# Altium PCB TCS-1900.PcbDoc (part 1 of 2) (continued)
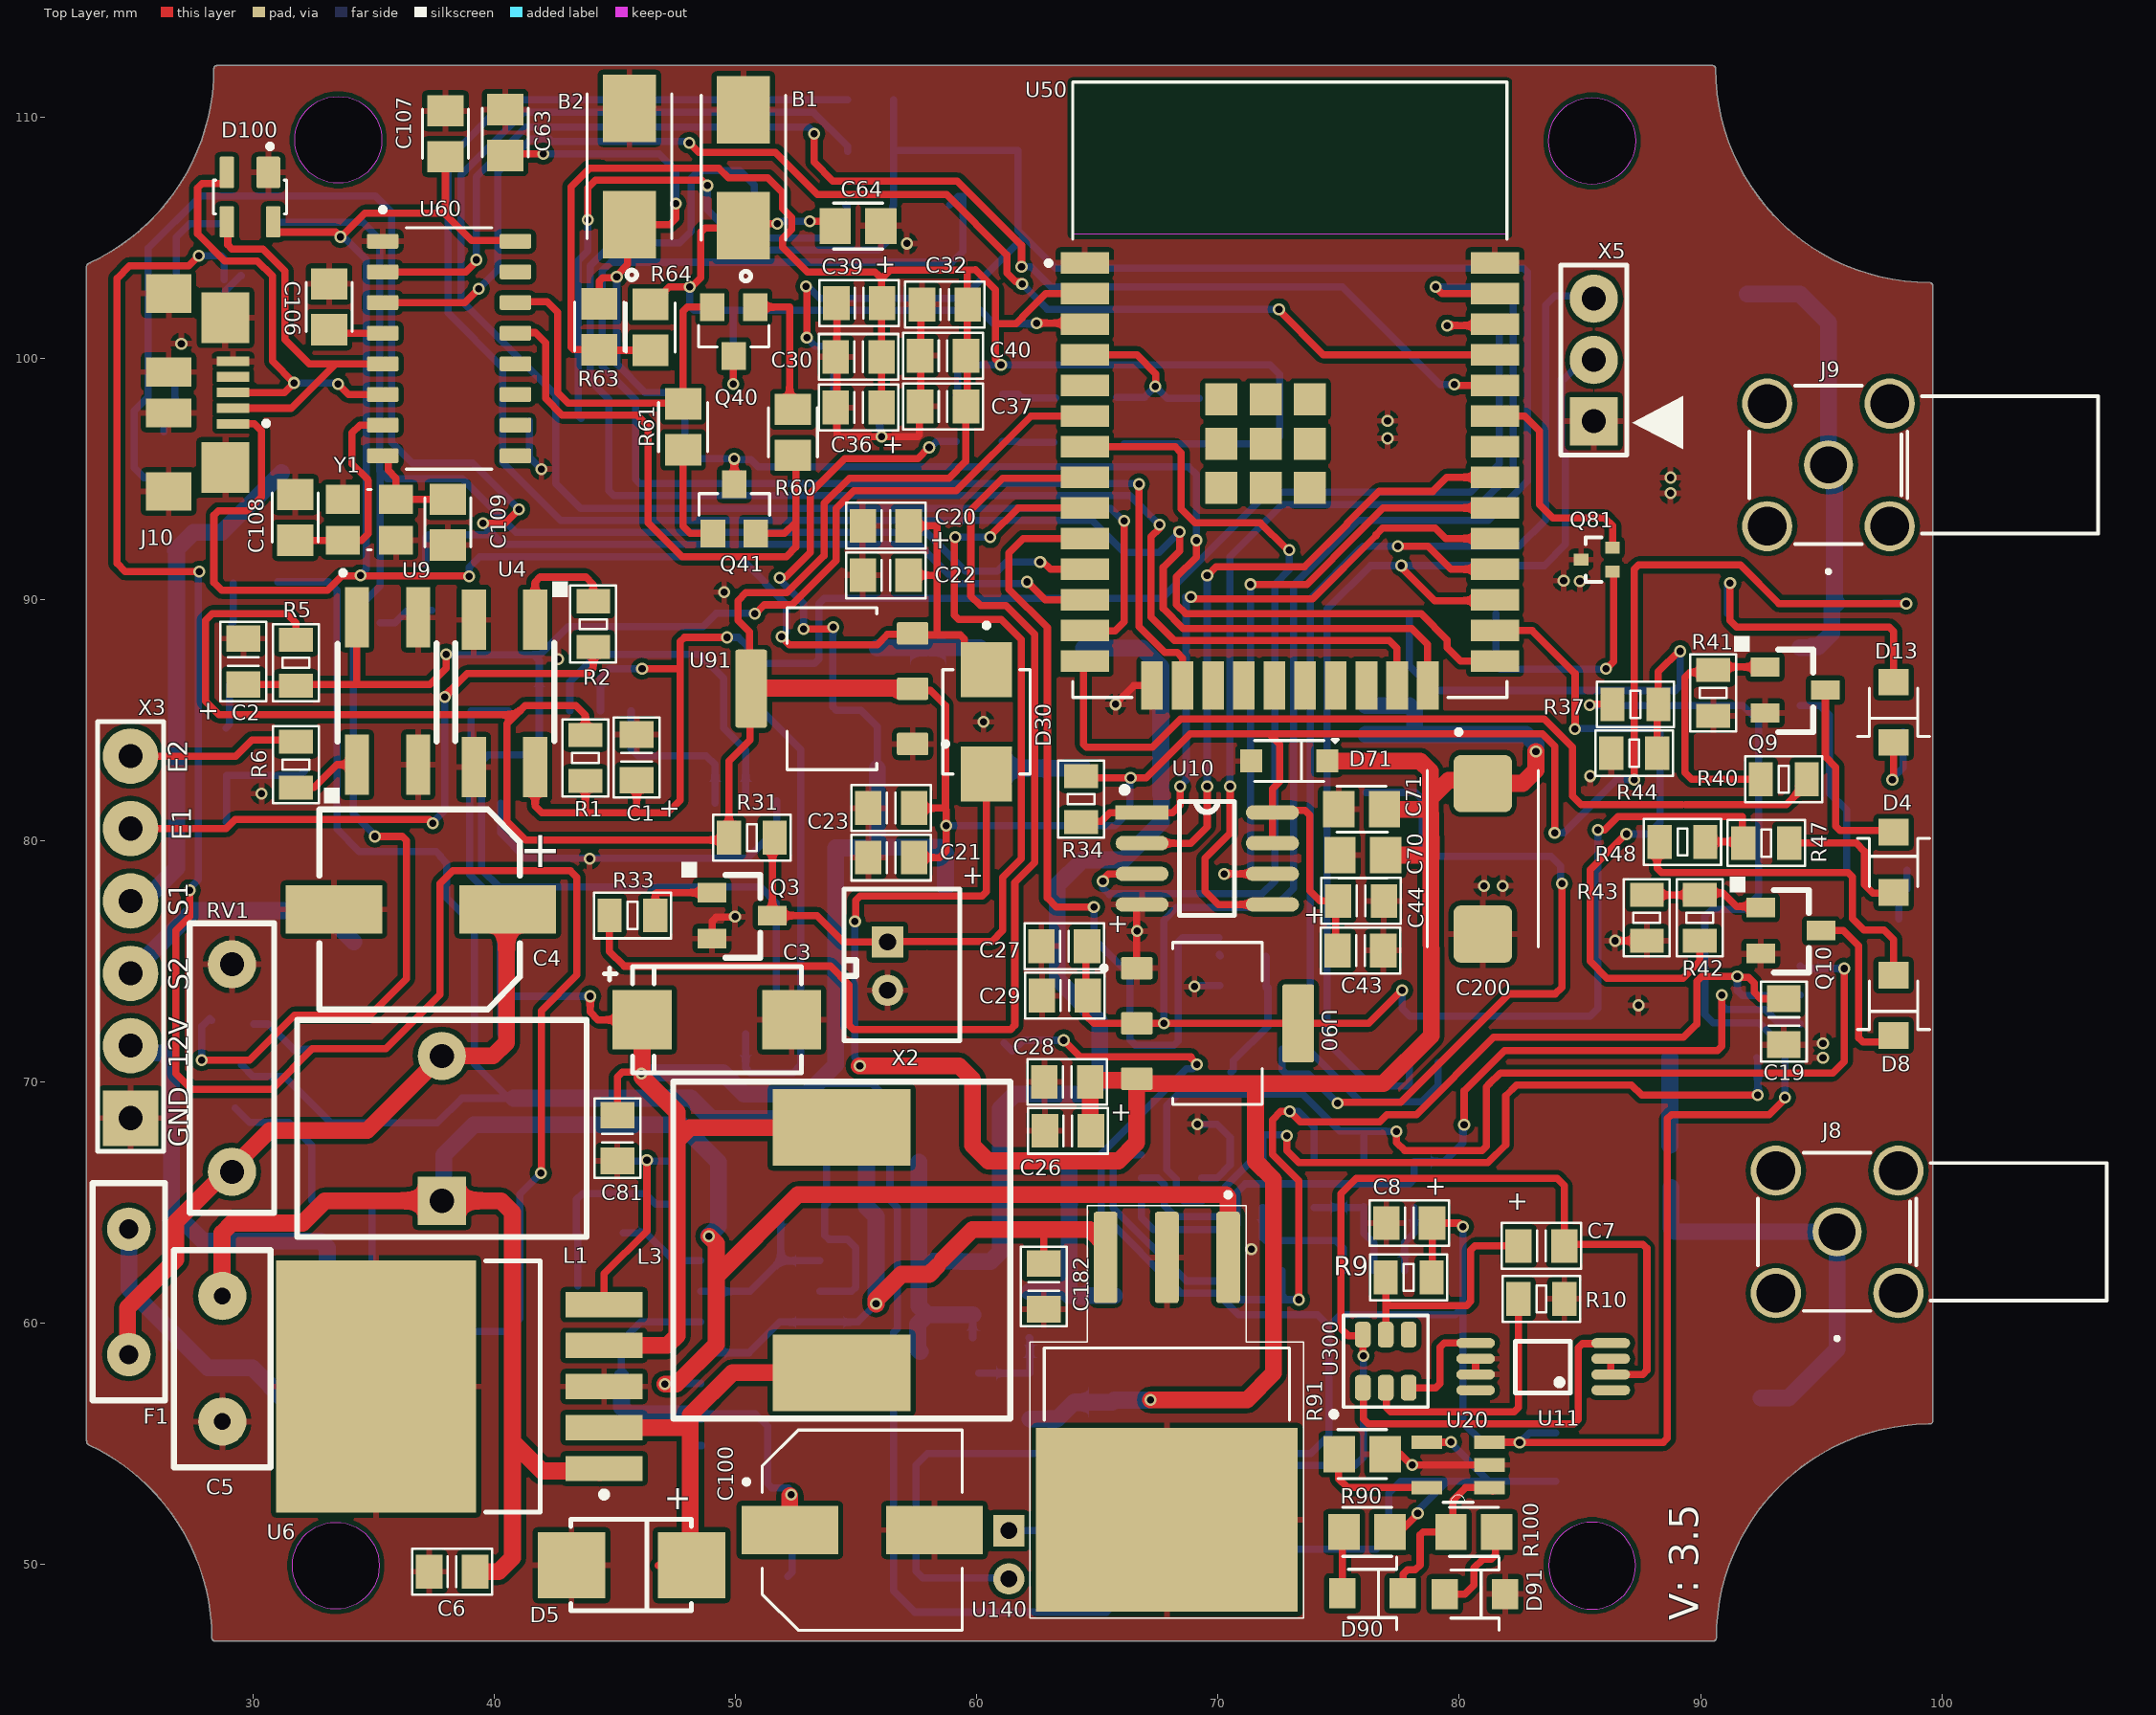
[diagram p0: Top Layer view]
## Components (designator, comment, footprint, x,y, rotation, side; value= is the part's Value field where it differs from the comment) (continued)
JUFL "U.FL-R-SMT(01)" HRS_U.FL-R-SMT(01) 90.375,102.6 r270 bottom
JUFL1 "U.FL-R-SMT(01)" HRS_U.FL-R-SMT(01) 90.925,56.875 r270 bottom
L1 "1mH" Inductor_per 37.825,68.075 r270 top
L3 "47uH" CDRH127 54.4,63.03 r0 top
L7 "82nF" IND_CPI0805G1R5R-10 96.623,89.85 r0 bottom
L50 "DE0703-33" DE0703-33 60.75,66.675 r0 bottom value=22uH
Q3 "MMBT3904" SOT23-npn 49.025,77.847 r0 top
Q4 "MJD122" DPAK 31.125,95.025 r0 bottom
Q5 "MJD122" DPAK 34.175,75.8 r0 bottom
Q6 "NTF6P02T3G" SOT223A 61.025,78.15 r270 bottom
Q9 "MMBT3904" SOT23-npn 92.675,87.2 r0 top
Q10 "MMBT3904" SOT23-npn 92.495,77.228 r0 top
Q40 "S8050" SOT-23 49.925,101.1 r180 top
Q41 "S8050" SOT-23 49.95,93.75 r0 top
Q50 "S8050" SOT-23 48.275,65.825 r90 bottom
Q80 "BC849BLT1G" "SOT-23-3 (TO-236)" 71.6,71.35 r0 bottom
Q81 "2N7002PT" SOT-416 85.7,91.65 r90 top
R1 "10k" R_0805#1 43.775,83.425 r270 top
R2 "10k" R_0805#1 44.1,88.975 r270 top
R5 "10k" R_0805#1 31.775,87.375 r270 top
R6 "10k" R_0805#1 31.775,83.15 r90 top
R9 "100" R_0805#1 77.9,61.9 r180 top
R10 "1K" R_0805#1 83.403,61.008 r0 top
R11 "10K" R_0805#1 55.8,78.75 r90 bottom
R20 "10K" R_0805#1 73.975,65.75 r90 bottom
R22 "22" R_0805#1 71.85,65.75 r90 bottom
R24 "22" R_0805#1 76.05,65.775 r270 bottom
R25 "22" R_0805#1 78.125,65.75 r90 bottom
R31 "5.1K" R_0805#1 50.675,80.122 r0 top
R33 "5.1K" R_0805#1 45.725,76.9 r180 top
R34 "10K" R_0805#1 64.325,81.725 r270 top
R36 "10k" R_0805#1 60.1,96.55 r0 bottom
R37 "200k" R_0805#1 87.3,85.65 r0 top
R40 "10k" R_0805#1 93.45,82.55 r0 top
R41 "10k" R_0805#1 90.525,86.125 r270 top
R42 "10k" R_0805#1 89.972,76.8 r270 top
R43 "10k" R_0805#1 87.772,76.8 r270 top
R44 "100k" R_0805#1 87.25,83.625 r180 top
R45 "10k" R_0805#1 60.125,98.5 r0 bottom
R46 "10k" R_0805#1 70.175,98.325 r0 bottom
R47 "330" R_0805#1 92.725,79.9 r180 top
R48 "330" R_0805#1 89.25,79.95 r0 top
R49 "0R7" R_0805#2 88.775,66.575 r270 bottom
R60 "10K 5%" R_0805#2 52.375,96.925 r90 top
R61 "10K 5%" R_0805#2 47.825,97.15 r270 top
R63 "10R 5%" R_0805#2 44.35,101.3 r270 top
R64 "10R 5%" R_0805#2 46.475,101.275 r270 top
R69 "10K" R_0805#1 55.575,106.3 r180 bottom
R70 "10K" R_0805#1 55.6,110.7 r180 bottom
R71 "10K" R_0805#1 59.425,107.65 r270 bottom
R72 "10K" R_0805#1 55.6,108.575 r180 bottom
R73 "4.7K" R_0805#2 71,75.95 r180 bottom
R74 "10K" R_0805#2 71.025,74 r180 bottom
R80 "1K" R_0805#2 97.275,76.75 r0 bottom
R81 "1K" R_0805#2 97.45,84.5 r0 bottom
R90 "470" R_0805#2 76.175,51.35 r180 top
R91 "2K" R_0805#2 75.975,54.575 r180 top
R100 "470" R_0805#2 80.6,51.35 r0 top
R130 "10m" R_0805#2 44.3,58.1 r0 bottom
R131 "10K" R_0805#2 44.4,63.75 r180 bottom
R132 "10K" R_0805#2 44.4,61.55 r180 bottom
R133 "47k" R_0805#2 44.3,66.725 r0 bottom
R134 "5k" R_0805#2 52.825,64.875 r0 bottom
R135 "1K" R_0805#2 52.825,67.15 r0 bottom
R150 "10K" R_0805#2 62.2,56.975 r270 bottom
R151 "56K" R_0805#2 60.075,56.975 r90 bottom
R161 "220" R_0805#2 28.675,72.275 r0 bottom
R162 "220" R_0805#2 29.9,105.575 r180 bottom
R163 "1K" R_0805#2 36.975,60.6 r270 bottom
R164 "1K" R_0805#2 39.175,60.6 r270 bottom
R165 "220" R_0805#2 37.3,90.5 r90 bottom
R166 "220" R_0805#2 26.3,96 r270 bottom
R167 "1K" R_0805#2 30.125,90.675 r180 bottom
R168 "1K" R_0805#2 28.9,83.65 r90 bottom
R169 "1K" R_0805#2 28.9,79.85 r270 bottom
R174 "1k" R_0805#2 29.75,69.25 r90 bottom
RV1 "10D470K" Varistor 29.125,70.575 r0 top
U4 "TLP181GB" SO4_2_54 41.69,88.95 r270 top
U6 "LM2596S-5.0" TS5B_N 38.55,57.375 r180 top
U9 "TLP181GB" SO4_2_54 34.3,83.35 r90 top
U10 "CAT25512VI-GT3" SOIC8_P 66.85,77.355 r0 top
U11 "FS8205A" TSSOP-8 86.275,60.15 r180 top
U15 "MCP6L01UT-E/OT" SOT23-5_P 63.4,96.475 r0 bottom
U20 "MCP73831T-2ACI/OT" SOT95P280X145-5N 79.95,54.125 r180 top
U30 "A9G" A9 75.725,72.4 r0 bottom
U50 "ESP32-WROOM-32" MODULE_ESP32-WROOM-32 72.975,98.69 r0 top
U60 "CH340G" SOIC127P600X180-16N 38.125,100.4 r0 top
U80 "ESDA6V1-5SC6" SOT-23-6 68.075,66.025 r180 bottom
U90 "AMS1117" SOT229P700X180-4N 69.975,72.425 r0 top
U91 "AMS1117" SOT229P700X180-4N 53.995,86.3 r180 top
U101 "MT3608" SOT95P280X145-6N 61,60.35 r180 bottom
U130 "TL084CDT" SOIC127P600X175-14N 51.025,58.775 r0 bottom
U140 "LM7812S/NOPB" TO254P1524X483-4N 67.875,56.325 r270 top
U150 "74HC14D" SOIC127P600X175-14N 44.4,87.85 r270 bottom
U152 "74HC541D" SOIC127P1032X265-20N 45.975,76.775 r270 bottom
U300 "DW01A" SOT23-6 76,57.325 r90 top
X2 "Housing_2mm" Molex2 56.3,75.8 r180 top
X3 "Conect_6" conec_6_3mm 24.923,68.502 r0 top
X5 "Conect_3" conec_3 85.575,97.385 r0 top
X6 "Housing" Molex2-90 61.325,51.4 r0 bottom
Y1 "cristal" XTAL_ABM8G25000MHZB4YT3 34.825,93.3 r90 top

## Footprints (in the part's own frame and the unit in brackets; to place one, negate y for a bottom-side part, rotate by r counter-clockwise, add the part's x,y. Pads: shape width x height; smd on the part's side, far side on the other; paste and mask are expansions set on the pad)
5-1814400-1 [mil]
  round 80 / inner round 60 / far side round 80 hole 60 paste+0 mask+0: 1(0,0)
  round 82 / inner round 60 / far side round 82 hole 63 paste+0 mask+0: 2(-100,100) 3(-100,-100) 4(100,-100) 5(100,100)
  silkscreen extent -129,-129 177,440, body extent -125,-124 125,435, height 411
A9 [mm]
  oval 1.6x0.8 smd: 1(0.4,0) 2(0.4,-1.2) 3(0.4,-2.4) 4(0.4,-3.6) 5(0.4,-4.8) 6(0.4,-6) 7(0.4,-7.2) 8(0.4,-8.4) 9(0.4,-9.6) 10(0.4,-10.8) 11(0.4,-12) 12(0.4,-13.2) 13(0.4,-14.4) 14(0.4,-15.6) 28(18.4,-15.6) 29(18.4,-14.4) 30(18.4,-13.2) 31(18.4,-12) 32(18.4,-10.8) 33(18.4,-9.6) 34(18.4,-8.4) 35(18.4,-7.2) 36(18.4,-6) 37(18.4,-4.8) 38(18.4,-3.6) 39(18.4,-2.4) 40(18.4,-1.2) 41(18.4,0)
  oval 0.8x1.6 smd: 15(2.2,-17) 16(3.4,-17) 17(4.6,-17) 18(5.8,-17) 19(7,-17) 20(8.2,-17) 21(9.4,-17) 22(10.6,-17) 23(11.8,-17) 24(13,-17) 25(14.2,-17) 26(15.4,-17) 27(16.6,-17) 42(16.6,1.4) 43(15.4,1.4) 44(14.2,1.4) 45(13,1.4) 46(11.8,1.4) 47(10.6,1.4) 48(9.4,1.4) 49(8.2,1.4) 50(7,1.4) 51(5.8,1.4) 52(4.6,1.4) 53(3.4,1.4) 54(2.2,1.4)
  rect 3x3 smd: 55(5.2,-3.1)
  rect 1.5x1.5 smd: 56(7.5,-9.7)
  body extent 0,-17.4 18.8,1.8, height 1.8
AMPHENOL_GTFP08131Y2HR [mm]
  rect 0.7x1.6 smd: 1(2.25,10.1) 2(1.15,10.1) 3(0.05,10.1) 4(-1.05,10.1) 5(-2.15,10.1) 6(-3.25,10.1) 7(-4.35,10.1) 8(-5.45,10.1) CD(-6.55,10.1)
  rect 1.2x1.4 smd: S1(-7.75,9.6)
  rect 1.6x1.4 smd: S2(6.85,9.6)
  rect 1.2x2.2 smd: S3(-7.75,0) S4(7.75,0)
  silkscreen extent -7.35,-4.4 7.35,11.7, body extent -8.05,-4.4 8.05,10.6, height 1.9
C_0805 [mm] "Capacitor Pattern"
  rect 1.1x1.4 smd: 1(-0.95,0) 2(0.95,0)
  silkscreen extent -1.65,-0.95 1.65,0.95, body extent -0.97,-0.62 1.03,0.63, height 0.79
C_0805-3D [mm] "Chip Capacitor, 2-Leads, Body 2.00x1.25mm"
  rect 1.3x1.5 smd: 1(-0.95,0) 2(0.95,0)
  silkscreen extent -1.02,-0.95 1.02,0.95, body extent -1,-0.62 1,0.63, height 0.78
CAP-TANTALIO-PM7343X310N [mm] "Capacitores de tantalio moldeado de 100 µF 10 V 2917 (7343 métrico) 600 mOhm"
  rrect25% 2.37x2.43 smd: 1(-3.12,0) 2(3.12,0)
  silkscreen extent -5.35,-2.3 3.65,2.3, body extent -3.8,-2.3 3.8,2.3, height 3.1
Cap_8x10 [mm] "Aluminum SMT 8.6x8.6x10mm cap"
  rect 4x2 smd: 1(0.5,0) 2(7.7,0)
  silkscreen extent 0,-4.15 8.3,4.15, body extent -0.85,-4.18 9.05,4.12, height 10.2
"CAP_EEEFP1V221AV - duplicate" [mm]
  rect 4x2 smd: 1(-3,0) 2(3,0)
  silkscreen extent -4.9,-4.15 4.15,4.15, body extent -4.85,-4.15 4.85,4.15, height 10.5
Cap_poly [mm] "polyswitch axial"
  round 2 hole 0.7: 1(0,2.6) 2(0,-2.6)
  silkscreen extent -2,-4.5 2,4.5, body extent -2.02,-4.1 1.98,3.9, height 12.67
CDRH127 [mm]
  rect 5.715x3.175 smd: 1(0,5.08) 2(0,-5.08)
  silkscreen extent -6.99,-6.98 6.98,6.98, body extent -6,-6.17 6,6.17, height 6.23
conec_3 [mm] "Connector; Header; 1x6 Position"
  rect 2x2 hole 1: 1(0,0)
  round 2 hole 1: 2(0,2.54) 3(0,5.08)
  silkscreen extent -1.38,-1.4 1.38,6.48, body extent -1.24,-1.27 1.24,6.35, height 8.54
conec_6_3mm [mm] "Connector; Header; 1x6 Position"
  rect 2.3x2.3 hole 1: 1(0,0)
  round 2.3 hole 1: 2(0,3) 3(0,6) 4(0,9) 5(0,12)
  round 2.3 hole 1 unplated: 6(0,15)
  silkscreen extent -1.38,-1.38 1.38,16.42
CPM7343-31 [mm]
  rect 2.45x2.45 smd: 1(-3.1,0) 2(3.1,0)
  silkscreen extent -4.67,-2.2 3.5,2.2, body extent -3.8,-2.3 3.8,2.3, height 3.1
CT_0805 [mm] "Capacitor Pattern"
  rect 1.1x1.4 smd: 1(-0.95,0) 2(0.95,0)
  silkscreen extent -1.65,-0.95 1.65,0.95, body extent -0.97,-0.65 1.03,0.65, height 1.21
"D_0805 - YELOW" [mm] "diodo led 0805"
  rect 1.1x1.25 smd: 1(-1.25,0) 2(1.25,0)
  silkscreen extent -1,-1.5 1,1.5, body extent -1.01,-0.62 1.01,0.63, height 1.1
D_0805-GREEN [mm] "diodo GREEN 0805 smd"
  rect 1.1x1.25 smd: 1(-1.25,0) 2(1.25,0)
  silkscreen extent -1,-1.5 1,1.5, body extent -1.01,-0.62 1.01,0.63, height 1.1
D_0805-RED [mm] "diodo red 0805 smd"
  rect 1.1x1.25 smd: 1(-1.25,0) 2(1.25,0)
  silkscreen extent -1,-1.5 1,1.5, body extent -1.05,-0.67 1.05,0.68, height 0.9
DE0703-33 [mm] "Inductor: alambre; SMD; 33uH; 910mA; 240 mO; 7,3x7,3x3,2 mm; ±20%"
  rect 1.5x2.2 smd: 1(-3.15,0) 2(3.15,0)
  silkscreen extent -4.6,-4.25 4.25,4.25, body extent -3.65,-3.65 3.65,3.65, height 3.2
DPAK [mm]
  rect 1.6x3 smd: 1(-2.285,-7.18) 3(2.285,-7.18)
  rect 5.8x6.2 smd: 2(0,0)
  silkscreen extent -4.31,-9 3.6,3.4, body extent -3.27,-7.82 3.33,2.28, height 2.4
HRS_U.FL-R-SMT(01) [mm]
  rect 1.1x2.25 smd: 1(-1.475,0) 2(1.475,0)
  rect 1.05x1.1 smd: 3(0,-1.55)
  silkscreen extent -1.3,1.3 1.3,1.3, body extent -1.5,-1.55 1.5,1.55, height 1.25
HRS_ZX62R-B-5P [mm]
  rect 0.4x1.35 smd: 1(1.3,2.675) 2(0.65,2.675) 3(0,2.675) 4(-0.65,2.675) 5(-1.3,2.675)
  rect 1.6x1.9 smd: GND(-4.1,0) GND(4.1,0)
  rect 2.1x2 smd: GND(-3.1,2.35) GND(3.1,2.35)
  rect 1.2x1.9 smd: GND(-0.85,0) GND(0.85,0)
  silkscreen extent 1.18,3.94 1.38,4.14, body extent -4.4,-2.75 4.4,2.98, height 2.71
IND_CPI0805G1R5R-10 [mm]
  rect 1.285x1.47 smd: 1(-0.973,0) 2(0.973,0)
  body extent -1,-0.63 1,0.63, height 1
Inductor_per [mm] "Inducotr; 5x10 mm"
  rect 2x2 hole 1: 1(3,0)
  round 2 hole 1: 2(-3,0)
  silkscreen extent -4.5,-6 4.5,6, body extent -3.27,-7.52 3.44,8.77, height 13.84
MICRO-SIM_CARD_HOLDER_78646-3001(Primary) [mm]
  rect 1.15x0.65 smd: C1(0.43,9.025) C2(0.43,6.485) C3(0.43,3.945) C5(0.43,10.295) C6(0.43,7.755) C7(0.43,5.215)
  rect 1.3x1 smd: P$1(2.6,12.37) P$2(4.6,12.37) P$5(4.6,0) P$6(2.6,0)
  rect 1.7x1.6 smd: P$3(14.16,12.31) P$4(14.16,0.06)
  rect 0.8x0.54 smd: P$13(13.58,3.73) P$14(13.58,8.65)
  silkscreen extent 0,0 15.45,12.37, body extent 0,-0.25 15.45,12.8, height 1.43
MODULE_ESP32-WROOM-32 [mm]
  rect 2x0.9 smd: 1(-8.5,5.26) 2(-8.5,3.99) 3(-8.5,2.72) 4(-8.5,1.45) 5(-8.5,0.18) 6(-8.5,-1.09) 7(-8.5,-2.36) 8(-8.5,-3.63) 9(-8.5,-4.9) 10(-8.5,-6.17) 11(-8.5,-7.44) 12(-8.5,-8.71) 13(-8.5,-9.98) 14(-8.5,-11.25) 25(8.5,-11.25) 26(8.5,-9.98) 27(8.5,-8.71) 28(8.5,-7.44) 29(8.5,-6.17) 30(8.5,-4.9) 31(8.5,-3.63) 32(8.5,-2.36) 33(8.5,-1.09) 34(8.5,0.18) 35(8.5,1.45) 36(8.5,2.72) 37(8.5,3.99) 38(8.5,5.26)
  rect 0.9x2 smd: 15(-5.715,-12.25) 16(-4.445,-12.25) 17(-3.175,-12.25) 18(-1.905,-12.25) 19(-0.635,-12.25) 20(0.635,-12.25) 21(1.905,-12.25) 22(3.175,-12.25) 23(4.445,-12.25) 24(5.715,-12.25)
  rect 1.33x1.33 smd: 39_1(-2.835,-0.405) 39_2(-1,-0.405) 39_3(0.835,-0.405) 39_4(-2.835,-2.24) 39_5(-1,-2.24) 39_6(0.835,-2.24) 39_7(-2.835,-4.075) 39_8(-1,-4.075) 39_9(0.835,-4.075)
  Keep-Out Layer region: 9,6.45 -9,6.45 -9,12.75 9,12.75
  Keep-Out Layer region: 9,6.45 -9,6.45 -9,12.75 9,12.75
  silkscreen extent -10.1,-12.75 9,12.75, body extent -9,-12.75 9,12.75, height 3.2
Molex2 [mm] "Connector; Header; 1x6 Position"
  rect 1.3x1.3 hole 0.7: 1(0,0)
  round 1.3 hole 0.7: 2(0,2)
  silkscreen extent -3,-2.2 1.8,4.1, body extent -2.83,-2.05 1.67,3.95, height 6
Molex2-90 [mm] "Connector; Header; 1x6 Position"
  rect 1.3x1.3 hole 0.7: 1(0,0)
  round 1.3 hole 0.7: 2(0,2)
  silkscreen extent -6.93,-2.2 1.05,4, body extent -6.8,-2.1 1.1,3.9, height 4.55
p_403 [mm]
  rect 2.8x2.743 smd: 1(2.425,0) 2(-2.55,0)
  silkscreen extent -2.55,-1.9 2.45,1.9, body extent -2.75,-1.8 2.65,1.8, height 2.3
Polyswitch [mm] "polyswitch axial"
  round 1.8 hole 0.8: 1(0,2.6) 2(0,-2.6)
  silkscreen extent -1.5,-4.5 1.5,4.5, body extent -1.53,-3.8 1.48,3.6, height 8.79
R_0805#1 [mm] "Resistor Pattern"
  rect 1x1.4 smd: 1(-0.95,0) 2(0.95,0)
  silkscreen extent -1.6,-0.95 1.6,0.95, body extent -0.97,-0.57 1.03,0.63, height 0.5
R_0805#2 [mm] "Chip Resistor 0805"
  rect 1.3x1.5 smd: 1(-0.95,0) 2(0.95,0)
  silkscreen extent -1.02,-1.02 1.02,1.02, body extent -1,-0.63 1,0.63, height 0.43
SO4_2_54 [mm] "S0-4"
  rect 2.5x1 smd: 1(-0.2,0) 2(-0.2,-2.54) 3(5.9,-2.54) 4(5.9,0)
  silkscreen extent -1.79,-3.3 4.83,1.35, body extent -0.71,-3.07 6.29,0.53, height 2
SOD_123 [mm]
  rect 0.9x0.95 smd: 1(-1.575,0) 2(1.575,0)
  silkscreen extent -1.43,-0.85 2.03,0.89, body extent -1.93,-0.85 1.93,0.85, height 1.42
SOIC8_P [mm] "SOIC, 8-Leads, Body 4.9x3.9mm, Pitch 1.27mm, IPC Medium Density"
  rect 2.2x0.6 smd: 1(0,3.81)
  oval 2.2x0.6 smd: 2(0,2.54) 3(0,1.27) 4(0,0) 5(5.4,0) 6(5.4,1.27) 7(5.4,2.54) 8(5.4,3.81)
  silkscreen extent -0.85,-0.45 3.83,4.87, body extent -0.45,-0.62 5.75,4.38, height 1.75
SOIC127P600X175-14N [mil]
  rect 78x20 smd: 1(-97,150) 2(-97,100) 3(-97,50) 4(-97,0) 5(-97,-50) 6(-97,-100) 7(-97,-150) 8(97,-150) 9(97,-100) 10(97,-50) 11(97,0) 12(97,50) 13(97,100) 14(97,150)
  silkscreen extent -53,-172 53,187, body extent -118,-170 118,170, height 69
SOIC127P600X180-16N [mm]
  rrect25% 1.31x0.62 smd: 1(-2.75,4.445) 2(-2.75,3.175) 3(-2.75,1.905) 4(-2.75,0.635) 5(-2.75,-0.635) 6(-2.75,-1.905) 7(-2.75,-3.175) 8(-2.75,-4.445) 9(2.75,-4.445) 10(2.75,-3.175) 11(2.75,-1.905) 12(2.75,-0.635) 13(2.75,0.635) 14(2.75,1.905) 15(2.75,3.175) 16(2.75,4.445)
  silkscreen extent -2.85,-5 1.78,5.85, body extent -3,-5 3,5, height 1.8
SOIC127P1032X265-20N [mil]
  rect 71x21 smd: 1(-188,225) 2(-188,175) 3(-188,125) 4(-188,75) 5(-188,25) 6(-188,-25) 7(-188,-75) 8(-188,-125) 9(-188,-175) 10(-188,-225) 11(188,-225) 12(188,-175) 13(188,-125) 14(188,-75) 15(188,-25) 16(188,25) 17(188,75) 18(188,125) 19(188,175) 20(188,225)
  silkscreen extent -150,-256 150,256, body extent -198,-252 208,252, height 104
SOP-4-2.54MM [mm]
  rect 0.8x1.2 smd: ANODE(-1.3,-3.35) CATHODE(1.25,-3.35) COLLECTOR(-1.3,2.9) EMITTER(1.25,2.9)
  silkscreen extent -2,-2.45 1.95,2, body extent -1.9,-3.77 1.9,3.26, height 2.2
SOT23-5_P [mm]
  rect 1.7x0.65 smd: 1(-0.2,0)
  rrect50% 1.7x0.65 smd: 2(-0.2,-0.95) 3(-0.2,-1.9) 4(2.4,-1.9) 5(2.4,0)
  silkscreen extent -1.37,-2.7 3.47,1.3, body extent -0.3,-2.4 2.5,0.5, height 1.45
SOT23-6 [mm]
  rrect50% 1.06x0.65 smd: 1(0,0) 2(0,-0.95) 3(0,-1.9) 4(2.2,-1.9) 5(2.2,-0.95) 6(2.2,0)
  silkscreen extent -1.2,-2.7 3,1.3, body extent -0.25,-2.45 2.45,0.55, height 1
SOT23-npn [mm]
  rect 1.2x0.8 smd: 1(0,0) 2(2.5,-0.953) 3(0,-1.905)
  silkscreen extent -1.27,-2.7 2,1.27, body extent -0.17,-2.4 2.63,0.5, height 1.3
SOT95P280X145-5N [mil]
  rect 50x22 smd: 1(-51,37) 2(-51,0) 3(-51,-37) 4(51,-37) 5(51,37)
  silkscreen extent -24,49 24,61, body extent -53,-57 53,57, height 57
SOT95P280X145-6N [mm]
  rrect50% 1.37x0.59 smd: 1(-1.17,0.95) 2(-1.17,0) 3(-1.17,-0.95) 4(1.17,-0.95) 5(1.17,0) 6(1.17,0.95)
  silkscreen extent -2.4,-1.75 2.1,1.75, body extent -1.4,-1.45 1.4,1.45, height 1.45
SOT143 [mm]
  rrect15% 0.99x1.3 smd: 1(-0.76,-1.025)
  rrect15% 0.59x1.3 smd: 2(0.96,-1.025) 3(0.96,1.025) 4(-0.96,1.025)
  silkscreen extent -1.52,-2.2 1.52,0.7, body extent -1.46,-1.21 1.46,1.21, height 1
SOT223A [mm]
  rect 2x1.5 smd: 1(0,2.3) 3(0,-2.3)
  rect 6.5x1.5 smd: 2(2.25,0)
  rect 2x3.8 smd: 2(6.3,0)
  silkscreen extent 1.58,-3.18 4.65,3.03, body extent -0.38,-3.32 6.58,3.18, height 1.65
SOT229P700X180-4N [mm]
  rrect15% 1.31x0.93 smd: 1(-3.345,2.29) 2(-3.345,0) 3(-3.345,-2.29)
  rrect15% 1.31x3.24 smd: 4(3.345,0)
  silkscreen extent -4.8,-3.36 1.86,3.36, body extent -3.5,-3.25 3.5,3.25, height 1.8
SOT-23 [mil]
  rect 40x45 smd: 1(-35,-40) 2(35,-40) 3(0,40)
  silkscreen extent -58,-10 58,25, body extent -59,-49 59,49
"SOT-23-3 (TO-236)" [mm] "Transistor bipolar (BJT) NPN 30 V 100 mA 100 MHz 300 mW Montaje en superficie SOT-23-3 (TO-236)"
  rrect25% 1.23x0.6 smd: 1(-1.06,0.95) 2(-1.06,-0.95) 3(1.06,0)
  silkscreen extent -2.46,-1.56 0.65,1.56, body extent -1.2,-1.45 1.2,1.45, height 1.11
SOT-23-6 [mm] "Pinza 11,4V 7A (8/20µs) Ipp Tvs Diodo Montaje en superficie"
  rrect25% 1.21x0.58 smd: 1(-1.255,0.95) 2(-1.255,0) 3(-1.255,-0.95) 4(1.255,-0.95) 5(1.255,0) 6(1.255,0.95)
  silkscreen extent -2.6,-1.56 0.8,1.56, body extent -1.4,-1.45 1.4,1.45, height 1.45
SOT-416 [mm]
  rect 0.5x0.6 smd: 1(-0.5,-0.65) 2(0.5,-0.65) 3(0,0.65)
  silkscreen extent -0.92,-0.19 0.92,0.46, body extent -0.8,-0.8 0.8,0.8, height 0.78
"SS56B-HF DO-214AA (SMB)" [mm] "Diodo Schottky 60 V 5A Montaje en superficie DO-214AA (SMB)"
  rect 2.28x2.12 smd: 1(2.165,0) 2(-2.165,0)
  silkscreen extent -4.1,-1.81 2.16,1.81, body extent -2.5,-1.35 2.5,1.35, height 2.28
SW_147873-2 [mm]
  rect 2.8x2.2 smd: 1(-2.413,0) 2(2.4,0)
  silkscreen extent -4.7,-1.75 3,1.75, body extent -3.53,-2.1 3.27,1.4, height 4.61
TO254P1524X483-4N [mm]
  rrect25% 3.79x0.99 smd: 1(-6.4,2.54) 2(-6.4,0) 3(-6.4,-2.54)
  rect 7.62x10.84 smd paste-6: 4(4.48,0)
  silkscreen extent -9.1,-5.67 8.54,5.67, body extent -7.3,-5.08 7.05,5.08, height 4.65
TS5B_N [mm] "D2-PAK, 6-Leads, Body 8.6x10.2mm, Pitch 1.7mm, Lead Span 14.1mm, IPC Medium Density"
  rect 3.2x1.05 smd: 1(-6,3.4) 2(-6,1.7) 3(-6,0) 4(-6,-1.7) 5(-6,-3.4)
  rect 8.3x10.45 smd: 6(3.45,0)
  silkscreen extent -6.13,-5.2 -1.1,5.2, body extent -6.93,-5.08 7.09,5.08, height 4.56
TSSOP-8 [mm] "SOP, 20-Leads, Body 7.2x5.2mm, Pitch 0.65mm, IPC Low Density"
  oval 1.6x0.42 smd: 1(0,2.925) 2(0,2.275) 3(0,1.625) 4(0,0.975) 5(5.6,0.975) 6(5.6,1.625) 7(5.6,2.275) 8(5.6,2.925)
  silkscreen extent 1.68,0.9 3.95,3.05, body extent -0.27,0.37 6.02,3.37, height 1.09
Varistor [mm] "Varistor axial"
  round 2 hole 1: 1(0,4.3) 2(0,-4.3)
  silkscreen extent -1.75,-6 1.75,6, body extent -0.87,-5.68 0.97,5.63, height 12.5
XTAL_ABM8G25000MHZB4YT3 [mm]
  rect 1.2x1.4 smd: 1(-0.85,1.1) 2(-0.85,-1.1) 3(0.85,-1.1) 4(0.85,1.1)
  silkscreen extent -2.3,-0.08 1.25,1.2, body extent -1.6,-1.24 1.6,1.24, height 0.99

## Part data
C1 C2 C7 C8 C20 C21 C26 C27 C30 C36 C39 C43 C45: library part CapTantalio, "Capacitor"
C3 C4: library part Cap_alu, "Capacitor aluminio"
C5 C6 C19 C22 C23 C28 C29 C32 C37 C40 C44 C46 C81 C182: library part CapMix, "Capacitor"
C63 C64 C70 C71 C90 C91: library part "capacitor caramico", "capacitor ceramico 0805"
  C63 C64: tension=10V, tipo=X7R
C100: library part CAP_EEEFP1V221AV, "CAP ALUM", max volt=35V
C101 C102 C106 C107 C108 C109: "capacitor ceramico 0805"
C200: library part "CAP-TANTALIO-(7343 métrico)", "Capacitores de tantalio moldeado de 100 µF 10 V 2917 (7343 métrico) 600 mOhm", marca="Vishay Sprague", tipo=TANTALIO
D4 D8 D12 D60 D61 D91: library part LED-SMD-GREEN, "LED-SMD-GREEN"
D5 D6 D7 D10 D11: "Schottky Diode"
D13: library part LED-SMD-YELLOW, "LED-SMD-YELLOW"
D30 D50 D70: "Diodo Schottky 60 V 5A Montaje en superficie DO-214AA (SMB)", pakage="DO-214AA (SMB)", Part Number=SS56B-HF
D71: library part "Diodo Zener-MMSZ5231BT1G", "Diodo Zener 5,1 V 500 mW ±5 % Montaje en superficie SOD-123"
D90: library part LED-SMD, "led 0805 red"
D100: "Supresor ESD TVS Uni-Dir 5.5V 4-Pin SOT-143 T/R"
F1: library part Fuse_per, "Fuse"
J1: "Conn Micro SIM Card SKT 6 POS 2.54mm Solder RA SMD 0.5A/Contact Embossed T/R", Package=None, Availability=Good, MF=Molex, MP=78646-3001, Price="0.58 USD"
J8 J9: "SMA Connector Jack, Female Socket 50 Ohm Through Hole, Right Angle Solder", Manufacturer_Part_Number=5-1814400-1, Vendor="Tyco Electronics"
J10: library part USB-ZX62R-B-5P, "ZX62R-B-5P USB STM", tecnoligi=SMD
J20: "GTFP08131Y2HR  MICRO SD,P/P,LCP", MF=GTFP08131Y2HR
J160 J161: "Optoisolator Transistor Output 3750Vrms 1 Channel 6-SOP", Package=None, Availability="In Stock", Check_prices=https://www.snapeda.com/parts/TLP185/Toshiba/view-part/?ref=eda, MF=Toshiba, MP=TLP185, Price=None, Purchase-URL=https://pricing.snapeda.com/search/part/TLP185/?ref=eda, SnapEDA_Link=https://www.snapeda.com/parts/TLP185/Toshiba/view-part/?ref=snap
JUFL JUFL1: "U.FL (UMCC) Connector Receptacle, Male Pin 50Ohm Surface Mount Solder. RF Connectors / Coaxial Connectors", Package=None, Availability="In Stock", Check_prices=https://www.snapeda.com/parts/U.FL-R-SMT(01)/Hirose+Electric+Co+Ltd/view-part/?ref=eda, MF=Hirose, MP=U.FL-R-SMT(01), Price=None, Purchase-URL=https://pricing.snapeda.com/search/part/U.FL-R-SMT(01)/?ref=eda, SnapEDA_Link=https://www.snapeda.com/parts/U.FL-R-SMT(01)/Hirose+Electric+Co+Ltd/view-part/?ref=snap
L1: library part Inductor_per, "Inductor"
L3: library part L_CDRH127, "Inductor"
L7: library part INDUCTOR-0805, "inductor 0805"
L50: "Inductor: alambre; SMD; 33uH; 910mA; 240 mO; 7,3x7,3x3,2 mm; ±20%"
Q3 Q9 Q10: library part NPN_SOT23, "NPN_SOT23"
Q6: "20V P-Channel Enhancement Mode MOSFET", ComponentLink1Description="Manufacturer Link", ComponentLink1URL=http://www.zetex.com/, ComponentLink2Description=Datasheet, ComponentLink2URL=www.zetex.com/3.0/pdf/ZXM61P02F.pdf, DatasheetVersion=Jul-99, PackageDescription="SOT-23; 3 Leads; Body 3.1 x 2.5 mm, inc. leads (LxW max), Alternate Lead Configuration", PackageReference=SOT23, PackageVersion=1996, Published=17-Dec-2003, Publisher="Altium Limited"
Q40 Q50: library part transistor-smd-NPN-BJT, "Transistor bipolar (BJT) NPN 25 V 500 mA 150 MHz 300 mW Montaje en superficie SOT-23"
Q41: library part transistor-smd-NPN-BJT-espejado, "Transistor bipolar (BJT) NPN 25 V 500 mA 150 MHz 300 mW Montaje en superficie SOT-23"
Q80: library part TRANSISTOR-NPN, "Transistor bipolar (BJT) NPN 30 V 100 mA 100 MHz 300 mW Montaje en superficie SOT-23-3 (TO-236)"
Q81: "N-Channel 60 V 310mA (Ta) 250mW (Ta) Surface Mount SC-75", Package="SOT-416 NXP USA Inc.", MP=2N7002PT
R1 R2 R5 R6 R9 R10 R11 R20 R22 R24 R25 R31 R33 R34 R36 R37 R40 R41 R42 R43 R44 R45 R46 R47 R48 R69 R70 R71 R72: library part ResSmd, "Resistor"
R49 R60 R61 R63 R64 R73 R74 R80 R81 R90 R91 R100 R130 R131 R132 R133 R134 R135 R150 R151 R161 R162 R163 R164 R165 R166 R167 R168 R169 R174: library part Resistor
RV1: library part Varistor, "Varistor"
U4 U9: library part OptoMOS_SO4, "4-Pin Phototransistor Optocoupler", DatasheetVersion=Nov-2003, LatestRevisionDate=04-Mar-2005, LatestRevisionNote="Sch pins 3 & 4 Swapped.", PackageReference=SO-4, Published=24-Mar-1999, Publisher="Altium Limited"
U6: "SIMPLE SWITCHER® Power Converter 150 KHz 3A Step-Down Voltage Regulator, 5-pin TO-263", Manufacturer="National Semiconductor", PackageTopMarking="NSUZXYTTE#*LM2596S*-5.0 P+", PowerWise=N, Code_JEDEC=MO-169-AB, ComponentLink1Description="LM2596 Datasheet", ComponentLink1URL=http://www.national.com/ds/LM/LM2596.pdf, ComponentLink2Description="LM2596 Web Page", ComponentLink2URL=http://www.national.com/pf/LM/LM2596.html, ComponentLink3Description="TS5B Package Page", ComponentLink3URL=http://www.national.com/packaging/folders/ts5b.html, CompType=Switcher, DatasheetVersion=May-2002, PackageDescription="TO-263, Molded, .400 x .390 x .180in, 5 Lead, .067in Pitch, Surface Mount", PackageReference=TS5B, PackageVersion="revD, Apr-2005", PartNumber=LM2596S-5.0, PinCount=5, RevisionNote="Component URLs added", RoHS=N
U10: library part 25LC512-E/SN, "512 Kbit SPI Bus Serial EEPROM, 8-Pin SOIC, Extended Temperature", Code_IPC=SOIC127P600-8, Code_JEDEC=MS-012, ComponentLink1Description="Manufacturer Link", ComponentLink1URL=http://www.microchip.com, ComponentLink2Description=Datasheet, ComponentLink2URL=http://ww1.microchip.com/downloads/en/DeviceDoc/22021E.pdf, ComponentLink3Description="Packaging Specification", ComponentLink3URL=http://ww1.microchip.com/downloads/en/PackagingSpec/00049AW.pdf, DatasheetVersion="revB, May-2008", PackageDescription="8-Lead Plastic Small Outline (SN) - Narrow, 3.90mm Body [SOIC]", PackageReference=SOIC-SN8, PackageVersion="revAW, Oct-2008", Published=29-Jan-2009, Publisher="Altium Limited"
U11 U300: "Optron"
  U300: MP=DW01A
U15: "1 MHz, 85 µA Op Amp, 5-Pin SOT-23, Extended Temperature Range, Tape and Reel", Supplier Part Number 1=MCP6L01UT-E/OTTR-ND, Code_IPC=SOT23-5, ComponentLink1Description=Datasheet, ComponentLink1URL=http://ww1.microchip.com/downloads/en/DeviceDoc/22140a.pdf, ComponentLink2Description="Packaging Specification", ComponentLink2URL=http://www.microchip.com/stellent/groups/techpub_sg/documents/packagingspec/en012702.pdf, ComponentLink3Description="Microchip.com Home", ComponentLink3URL=http://www.microchip.com/, DatasheetVersion="revA, Mar-2009", PackageDescription="5-Lead Plastic Small Outline Transistor (OT) [SOT-23]", PackageReference=SOT-23-OT5, PackageVersion="revBB, Aug-2009", Published=2-Dec-2009, Publisher="Altium Limited", Supplier 1=Digi-Key, Supplier 2=Digi-Key, Supplier 3=Digi-Key, Supplier Part Number 2=MCP6L01UT-E/OTCT-ND, Supplier Part Number 3=MCP6L01UT-E/OTDKR-ND
U20: "Charger IC Lithium Ion/Polymer SOT-23-5", Package="SOT-23 Microchip", MF=Microchip, MP=MCP73831T-2ACI/OT
U30: "Cellular, Navigation Beidou, GNSS, GPRS, GPS, GSM Transceiver Module 800MHz, 900MHz, 1.8GHz, 1.9GHz Antenna Not Included Surface Mount", MF=KEMET, MP=A9G
U50: library part ESP32
U60: "USB Interface Integrated Circuit", MF=WCH, MP=CH340G
U80: "Array for ESD protection", Manufacturer_Part_Number=ESDA6V1-5SC6, RefDes=RefDes, Type=Type, Vendor="ST Microelectronics"
U90 U91: "1A LOW DROPOUT VOLTAGE REGULATOR SOT-223", MF=SOT-223, MP=AMS1117
U101: "High Efficiency 1.2MHz 2A Step Up Converter", MB=MT3608, MF="Aerosemi Technology Co., Ltd"
U130: "General purpose JFET quad operational amplifiers", MP=TL084CDT
U140: "1.5-A, 30-V, linear voltage regulator 3-DDPAK/TO-263 0 to 125", MP=LM7812S/NOPB, pakage=3-DDPAK/TO-263
U150: "Inverter IC 6 Channel Schmitt Trigger 14-SOIC", MF=Toshiba, MP=74HC14D
U152: "Buffer, Non-Inverting 1 Element 8 Bit per Element 3-State Output 20-SOIC", MF="Toshiba Semiconductor", MP=74HC541D
X2 X6: "Header, 2-Pin", LatestRevisionDate=17-Jul-2002, LatestRevisionNote="Re-released for DXP Platform.", Publisher="Altium Limited"
X3: "Header, 6-Pin", LatestRevisionDate=17-Jul-2002, LatestRevisionNote="Re-released for DXP Platform.", Publisher="Altium Limited"
X5: "Header, 3-Pin", LatestRevisionDate=17-Jul-2002, LatestRevisionNote="Re-released for DXP Platform.", Publisher="Altium Limited"
Y1: library part ABM8G25000MHZB4YT3, "CRISTAL, SELLO DE VIDRIO CERAMICO, 25.000MHZ, 10PF, 30PPM @ 25C, 3", MF=Abracon, MP=ABM8G25000MHZB4YT3

## Via types
v1: diameter 0.5, hole 0.3, Top Layer to Bottom Layer, 144 vias

## Nets (pads, with @x,y where several pads share a name; then routed paths per layer and width w, separated by ;. In a path a pad name is that pad's centre, name@x,y a point inside that pad or via, vN(x,y) a via of type N, cw(c..) or ccw(c..) an arc to the next point about the centre after c; other vN are vias at no path point)
3.3V: C21.1 C23.2 C30.1 C32.2 C36.1 C37.2 C39.1 C40.2 C43.1 C44.2 L7.2 R1.1 R5.1 R31.1 R34.1 R45.1 R63.2 R64.2 U10.7 U10.8 U15.5 U50.2 U91.2 U91.4 | length 228.2
  Top Layer w0.3: R5.1@31.775,88.325 31.775,89.025 31.4,89.4 28.3,89.4 28.025,89.125 28.025,85.775 28.575,85.225 40.9,85.225 ; R1.1@43.775,84.375 43.775,85.2 43.375,85.6 41.275,85.6 40.9,85.225 ; R63.2@43.993,99.993 R63.2@44.35,100.35 43.275,100.35 43.175,100.45 43.175,107.1 43.95,107.875 49.299,107.875 49.699,107.475 51.332,107.475 51.95,106.857 51.95,106.199 52.325,105.824 52.325,105.326 51.95,104.951 51.95,104.6 52.925,103.625 ; R63.2@44.475,100.325 R64.2@46.475,100.325 ; U91.4@50.5,87.45 50.575,87.525 50.575,88.65 50.1,89.125 50.1,89.95 50.425,90.275 52.132,90.275 53.675,91.818 53.675,93.982 54.718,95.025 58.85,95.025 59.55,95.725 C37.2@59.55,98 ; U91.4@50.6,85.975 50.6,84.175 49.725,83.3 R31.1@49.725,80.122 49.628,80.025 41.3,80.025 40.525,80.8 40.525,84.85 40.9,85.225 ; 52.975,103.575 55.775,103.575 55.924,103.426 56.05,103.3 ; C36.1@56.05,97.95 C30.1@56.05,100.05 56.05,103.3 ; U91.2@56.745,86.225 58.075,86.225 58.7,85.6 58.7,81.3 ; C21.1@57.4,79.3 58.45,79.3 58.725,79.575 v1(58.725,80.625) 58.725,81.275 58.7,81.3 ; C23.2@57.4,81.35 58.65,81.35 58.7,81.3 ; C40.2@59.55,100.1 59.6,100.15 59.6,102.2 C32.2@59.625,102.225 ; C37.2@59.6,97.925 C40.2@59.6,100.1 ; C32.2@59.6,102.225 59.6,103.65 ; v1@61,99.671 v1(61,99.725) ; v1@61.018,99.725 60.775,99.968 60.775,101.425 ; R34.1@64.4,82.725 64.525,82.6 v1(66.375,82.6) 67.025,82.6 67.8,83.375 68.85,84.425 72.125,84.425 ; U50.2@64.475,102.68 62.856,102.68 61.875,101.699 61.875,101.675 61.625,101.425 60.775,101.425 ; U10.7@72.25,79.9 U10.8@72.25,81.165 72.25,82.15 72.55,82.45 72.55,84 72.125,84.425 ; U10.8@72.75,81.25 73.6,81.25 73.8,81.05 73.8,77.925 74.225,77.5 C44.2@74.875,77.5 ; C43.1@74.875,75.1 C44.2@74.875,77.5 ; C44.2@74.975,77.5 C44.2@74.875,77.5 ; v1(83.95,80.325) 83.95,83.915 83.44,84.425 72.125,84.425 ; v1@87.25,82.55 87.25,91.249 87.426,91.425 91.65,91.425 93.25,89.825 v1(98.525,89.825) ; 56.05,103.3 56.4,103.65 59.6,103.65 ; 59.6,103.65 59.936,103.664 60.775,102.825 60.775,101.425
  Top Layer w0.7: U91.4@50.6,85.975 50.45,86.125 50.638,86.312 50.65,86.325 56.645,86.325 U91.2@56.745,86.225
  Bottom Layer w0.3: v1(58.725,80.625) 65.725,80.625 66.35,81.25 v1@66.35,82.65 ; R45.1@59.15,98.475 59.2,98.525 59.2,99.474 59.451,99.725 v1(61,99.725) 72.15,99.725 72.55,99.325 72.55,96.75 72.25,96.45 U15.5@66.1,96.45 ; v1@83.85,80.325 v1(83.95,80.325) 84.325,80.325 86.525,82.525 v1(87.25,82.525) ; L7.2@97.596,89.85 v1@98.525,89.85
3.3V1: C27.1 C29.2 C45.1 C46.2 J20.4 R47.2 R48.2 R69.1 R70.1 R71.1 R72.1 U90.2 U90.4 | length 161.6
  Top Layer w0.3: v1(43.875,105.725) 43.875,107.05 44.2,107.375 48.6,107.375 v1(48.825,107.15) ; v1(52.921,102.977) 52.95,102.948 v1(52.95,100.85) ; C27.1@64.525,75.65 64.525,72.75 64.85,72.425 U90.2@66.63,72.425 v1(67.75,72.425) U90.4@73.32,72.425 76.25,72.425 v1@77.6,73.775 ; v1(85.75,80.45) 86.025,80.45 86.575,81 91.725,81 91.725,80.725 91.725,79.95 R48.2@90.2,79.95
  Bottom Layer w0.3: J20.4@43.6,97.5 43.475,97.625 43.475,104.038 43.875,104.438 v1(43.875,105.725) ; v1(48.825,107.15) 48.825,106.15 50.5,104.475 55.925,104.475 56.5,105.05 56.5,106.275 R69.1@56.525,106.3 56.55,106.325 R72.1@56.55,108.575 ; v1(52.921,102.977) 52.959,103.016 53.5,102.475 59.4,102.475 61.938,105.013 ; v1(52.95,100.85) 53.299,100.501 54.074,100.501 C45.1@54.15,100.425 54.075,100.35 C46.2@54.075,98.125 ; R70.1@56.55,110.7 R72.1@56.55,108.575 ; v1(67.75,72.425) 67.75,76.7 68.275,77.225 72.325,77.225 73.125,78.025 73.125,90.6 75.8,93.275 81.2,93.275 82.825,94.9 82.825,103.576 82.676,103.725 63.275,103.725 61.7,105.3 61.7,108.6 R71.1@59.425,108.6 56.575,108.6 R72.1@56.55,108.575 ; v1(77.625,73.8) 77.625,73.05 77.95,72.725 85.425,72.725 85.75,73.05 v1(85.75,80.45)
+4.2: C8.1 C91.2 Q6.2 R9.1 R37.1 U20.3 X6.2 | length 134.7
  Top Layer w0.3: v1(63.6,71.725) 64.275,71.05 68.875,71.05 68.875,70.976 v1(69.125,70.726) ; R9.1@78.85,61.9 78.875,61.925 C8.1@78.875,64.15 80,64.15 v1(80.15,64) ; U20.3@81.245,55.065 v1@82.515,55.065 ; v1(82.5,55.05) 88.449,55.05 88.625,55.226 88.625,68.474 88.801,68.65 92.85,68.65 v1@93.525,69.325 ; v1@85.35,85.65 R37.1@86.35,85.65
  Bottom Layer w0.3: Q6.2@61.125,71.625 61.475,71.275 61.925,71.725 v1(63.6,71.725) ; X6.2@61.325,49.4 61.275,49.45 57.75,49.45 57.475,49.725 57.475,54.125 57.95,54.6 73.85,54.6 74.6,55.35 74.6,59.875 ; v1(69.125,70.726) 68.949,70.55 68.693,70.55 65.15,67.007 65.15,64.575 68.475,61.25 69.95,61.25 70.85,60.35 74.125,60.35 74.6,59.875 ; v1(80.15,64) 80.15,60.675 ; C91.2@84,55.45 82.9,55.45 v1(82.5,55.05) 80.975,55.05 80.15,55.875 80.15,60.675 ; v1@85.4,85.6 91.75,85.6 92.4,84.95 92.4,77.755 91.795,77.15 90.475,77.15 90.175,76.85 90.175,72.8 90.525,72.45 92.425,72.45 93.5,71.375 v1(93.5,69.35) ; 74.6,59.875 75.075,60.35 79.825,60.35 80.15,60.675
  other v1: 85.4,85.625
+Va: C101.1 D6.2 L50.1 Q6.3 U101.4 U101.5 | length 49.6
  Bottom Layer w0.3: U101.4@59.83,59.4 U101.5@59.83,60.35
  Bottom Layer w0.7: L50.1@57.6,66.675 57.6,61.975 ; C101.1@57.65,58.825 57.55,58.925 57.55,59.95 57.95,60.35 ; U101.5@59.83,60.35 57.95,60.35 ; D6.2@64.425,87.975 66.85,87.975 67.625,87.2 67.625,81.919 67.65,81.894 67.65,80.775 66.075,79.2 64.375,79.2 Q6.3@63.325,78.15 63.325,74.275 65.1,72.5 65.1,69.95 64.65,69.5 61.575,69.5 60.975,68.9 60.975,62.96 60.565,62.55 59.35,62.55 59.325,62.575 58.2,62.575 57.6,61.975 ; 57.6,61.975 57.6,60.7 57.95,60.35
B-: C7.2 U11.2 U11.3 U300.6 X6.1 | length 52
  Top Layer w0.3: v1@76,58.65 U300.6@76,59.525 75.95,59.475 75.4,59.475 75.1,59.775 75.1,65.375 75.725,66 84.05,66 84.35,65.7 C7.2@84.35,63.2 84.425,63.275 87.599,63.275 87.775,63.099 87.775,58.051 87.599,57.875 U11.2@86.275,57.875 U11.3@86.275,58.525
  Bottom Layer w0.3: X6.1@61.325,51.4 62.474,51.4 62.65,51.576 62.65,53.924 62.826,54.1 75.675,54.1 76.025,54.45 v1(76.025,58.65)
BATMEDIDOR: R37.2 R44.1 U30.15 | length 19.8
  Top Layer w0.3: R44.1@88.2,83.625 R37.2@88.2,85.55 ; R37.2@88.25,85.65 88.25,87 v1@89.125,87.875
  Bottom Layer w0.3: U30.15@77.925,89.4 77.925,87.25 78.95,86.225 88.95,86.225 89.15,86.425 v1(89.15,87.85)
CMD: J20.3 R69.2 U50.23 | length 66.1
  Top Layer w0.3: v1@67.575,93.15 v1(67.575,93.1) 67.575,92.944 67.225,92.594 67.225,89.275 68.2,88.3 77.1,88.3 77.42,87.98 U50.23@77.42,86.44
  Bottom Layer w0.3: R69.2@54.575,106.35 R69.2@54.625,106.3 54.625,105.475 54.125,104.975 51,104.975 50.775,105.2 50.775,107.175 50.175,107.775 48.476,107.775 48.15,107.449 48.15,105.25 47.675,104.775 44.919,104.775 43.975,103.831 43.975,99.065 44.75,98.29 J20.3@44.75,97.4 44.75,94.5 44.95,94.3 66.35,94.3 67.376,93.274
D+: D100.3 J10.2 U60.5 | length 16.1
  Top Layer w0.3: D100.3@28.915,105.649 28.95,105.614 28.95,104.701 29.126,104.525 30.4,104.525 31.325,103.6 31.325,100.775 32.335,99.765 33.415,99.765 ; J10.2@29.175,97.925 31.575,97.925 33.415,99.765 ; U60.5@35.375,99.765 33.415,99.765
D-: D100.2 J10.3 U60.6 | length 18.8
  Top Layer w0.3: D100.2@28.915,107.699 28.915,107.388 28.77,107.243 27.893,107.243 27.7,107.05 27.7,105.149 28.824,104.025 30.178,104.025 30.8,103.403 30.8,99.875 v1(31.7,98.975) 31.3,98.575 J10.3@29.175,98.575 ; v1(33.525,98.925) 33.955,98.495 U60.6@35.375,98.495
  Bottom Layer w0.3: v1(31.7,98.975) 33.475,98.975 v1(33.525,98.925)
"D. BAT": R46.1 U15.4 U50.4 | length 7.6
  Top Layer w0.3: U50.4@64.475,100.14 66.635,100.14 67.425,99.35 v1@67.425,98.825
  Bottom Layer w0.3: U15.4@65.8,98.375 66.95,98.375 67.375,98.8 67.425,98.8 67.9,98.325 R46.1@69.225,98.325
  other v1: 67.4,98.825
DATA0: J20.7 R70.2 U50.24 | length 77.9
  Top Layer w0.3: v1@68.3,92.875 68.375,92.8 v1(68.4,92.8) 68.4,92 67.725,91.325 67.725,89.625 68.55,88.8 78.025,88.8 78.69,88.135 U50.24@78.69,86.44
  Bottom Layer w0.3: R70.2@54.65,110.7 40.525,110.7 38.075,108.25 38.075,101.875 40.35,99.6 J20.7@40.35,97.4 40.35,95.675 42.75,93.275 64.775,93.275 66.1,91.95 67.55,91.95 v1(68.4,92.8)
DATA3: J20.2 R71.2 U50.16 | length 57.8
  Top Layer w0.3: v1(66.718,94.774) 66.725,94.767 66.725,88.875 67.8,87.8 68.3,87.8 68.53,87.57 U50.16@68.53,86.44
  Bottom Layer w0.3: R71.2@58.875,106.35 59.225,106.7 R71.2@59.425,106.7 59.425,104.425 58.975,103.975 44.826,103.975 44.475,103.624 44.475,99.654 45.85,98.279 J20.2@45.85,97.4 45.85,94.976 46.026,94.8 66.692,94.8 v1(66.718,94.774)
DTR: Q41.2 R60.1 U60.13 | length 25
  Top Layer w0.3: U60.13@40.875,101.06 41.69,101.06 42.125,100.625 42.125,98.325 42.809,97.641 45.909,97.641 46.375,97.175 46.375,93.175 47.775,91.775 52.109,91.775 52.509,92.175 52.509,93.175 ; Q41.2@50.839,92.734 52.034,92.734 52.475,93.175 52.509,93.175 ; R60.1@52.375,95.975 52.509,95.841 52.509,93.175
EN: B1.1 C64.2 Q40.3 R64.1 U50.3 | length 32
  Top Layer w0.3: R64.1@46.475,102.225 46.575,102.225 47.075,102.725 47.075,102.774 47.251,102.95 48.154,102.95 48.254,103.05 48.275,103.05 48.55,103.325 48.55,105.224 48.726,105.4 B1.1@50.325,105.4 ; v1(49.9,98.925) 49.9,100.059 Q40.3@49.925,100.084 ; B1.1@50.325,105.487 50.413,105.575 v1(51.725,105.575) ; v1(53.075,105.675) 53.925,105.675 C64.2@54.125,105.475 ; v1(62.475,101.45) 64.435,101.45 U50.3@64.475,101.41
  Bottom Layer w0.3: v1(48.1,102.95) 48.1,102.151 48.276,101.975 49.975,101.975 ; v1(49.9,98.925) 49.9,101.9 49.975,101.975 ; v1(51.725,105.575) 51.825,105.675 v1(53.075,105.675) ; v1@62.475,101.425 60.7,101.425 60.15,101.975 49.975,101.975